# Altium PCB CNEPuckRevF Export in PCB ASCII Format.PcbDoc (part 2 of 3)
Units mil, origin at the board's own origin, x right, y up, seen from the top; angles counter-clockwise.
Board outline 3831.74 x 3902.47 mil, 4 copper layers (Top Layer, Internal Plane 1, Internal Plane 2, Bottom Layer); 165 components, 118 nets, 543 pads, 169 vias.
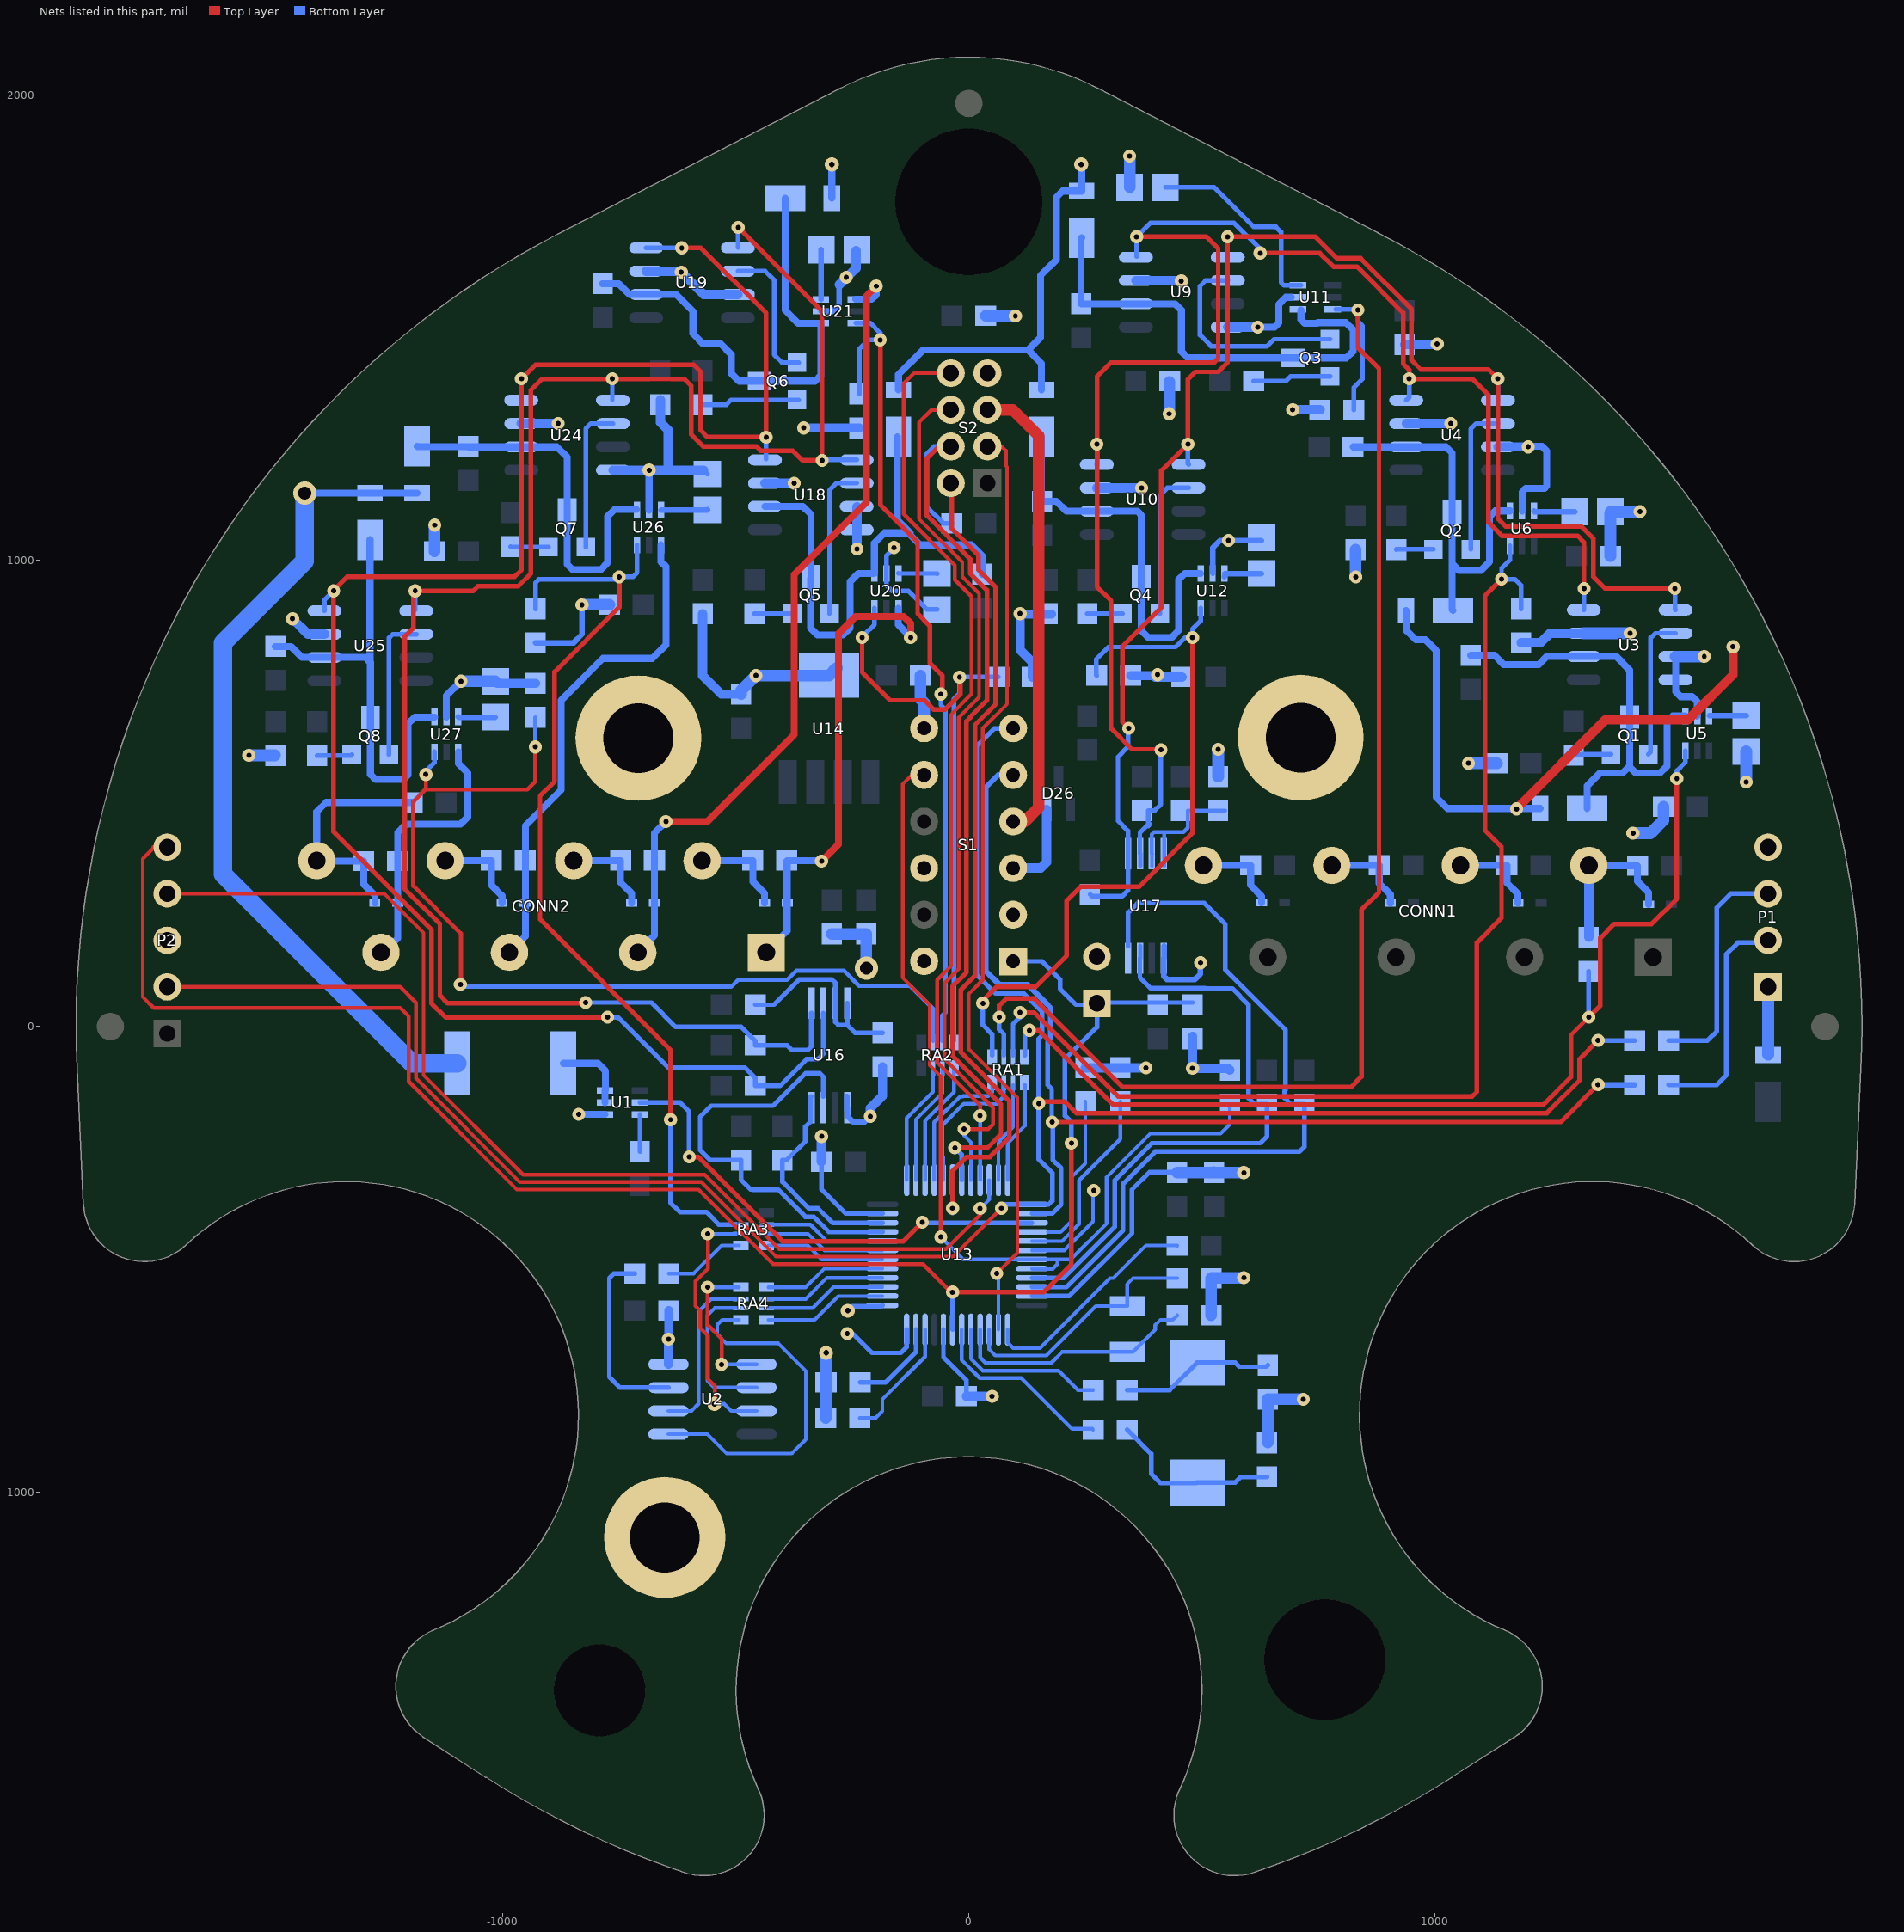
[diagram p4: the nets of this part, all layers, seen from the top]

## Via types
v1: diameter 28, hole 11, Top Layer to Bottom Layer, tented both sides, 158 vias
v2: diameter 30, hole 12, Top Layer to Bottom Layer, tented both sides, 6 vias
v3: diameter 50, hole 28, Top Layer to Bottom Layer, 4 vias
v4: diameter 28, hole 11, Top Layer to Bottom Layer, 1 vias

## Nets (pads, with @x,y where several pads share a name; then routed paths per layer and width w, separated by ;. In a path a pad name is that pad's centre, name@x,y a point inside that pad or via, vN(x,y) a via of type N, cw(c..) or ccw(c..) an arc to the next point about the centre after c; other vN are vias at no path point) (continued)
DQ5: CONN2.1 D5.2 D14.2 U20.4 | length 1073.1
  Top Layer w15: v1(-316,355) -280,391 -280,843 -243,880 -140,880 -125,865 v1(-125,835)
  Bottom Layer w10: CONN2.1@-434.64,159 CONN2.1@-434.64,160.36 ; D5.2@-390.58,356 D5.2@-390,356 ; v1(-125,835) v1@-125,836.01
  Bottom Layer w15: CONN2.1@-434.64,160.36 -390,205 -390,356 v1@-316,356 ; U20.4@-151.41,897.63 -151.41,862.42 v1@-125,836.01
DQ6: CONN2.3 D6.2 D15.2 U21.4 | length 1760.4
  Top Layer w15: v1(-650,440) -560.91,440 -375,625.91 -375,970 -220,1125 -220,1567.82 v1(-198.82,1589)
  Bottom Layer w10: CONN2.3@-710.23,159 CONN2.3@-710.23,159.77
  Bottom Layer w15: CONN2.3@-710.23,159.77 -674.58,195.42 -674.58,415.42 v1(-650,440) ; U21.4@-242.6,1560.59 -208.66,1560.59 -198.82,1570.43 v1(-198.82,1589)
DQ7: CONN2.5 D7.2 D16.2 U26.4 | length 1080.1
  Bottom Layer w10: CONN2.5@-985.82,159 CONN2.5@-985.82,159.18 ; -955,190 -951.58,193.42
  Bottom Layer w15: CONN2.5@-985.82,159.18 -955,190 ; -951.58,193.42 -951.58,431.1 -875,507.69 -875,700 -785,790 -679,790 -650,819 -650,987 -660.41,997.41 U26.4@-660.41,1033.6
DQ8: CONN2.7 D8.2 D17.2 U27.4 | length 588
  Bottom Layer w10: CONN2.7@-1261.41,159 CONN2.7@-1256,159
  Bottom Layer w15: CONN2.7@-1256,159 -1225.58,189.42 -1225.58,416.42 -1208,434 -1091,434 -1075,450 -1075,544 -1095.41,564.41 U27.4@-1095.41,589.6
DQ_CHANNEL_0: S1.3
DQ_CONN_1: RA1.1 U13.36 | length 219.8
  Bottom Layer w8: U13.36@83.27,-329.57 83.27,-250 120,-213.27 RA1.1@120,-125
DQ_CONN_2: RA1.2 U13.35 | length 217.5
  Bottom Layer w8: U13.35@63.58,-329.57 63.58,-250 67.27,-246.31 67.27,-243.37 94.9,-215.74 RA1.2@94.9,-125
DQ_CONN_3: RA1.3 U13.29 | length 302.9
  Bottom Layer w8: U13.29@-54.53,-329.57 -54.53,-280 -57,-277.53 -57,-212.06 -10.94,-166 12.96,-166 13.44,-165.51 34.98,-165.51 35.88,-166.42 60,-166.42 60,-165.22 75.22,-150 RA1.3@75.22,-125
DQ_CONN_4: RA1.4 U13.28 | length 291.2
  Bottom Layer w8: U13.28@-74.21,-329.57 -74.21,-205.38 -18.83,-150 -12.54,-150 -12.06,-149.51 41.61,-149.51 50.12,-141.01 RA1.4@50.12,-125
DQ_CONN_5: RA2.1 U13.27 | length 261.6
  Bottom Layer w8: U13.27@-93.9,-329.57 -93.9,-202.44 -32,-140.54 RA2.1@-32,-93.58
DQ_CONN_6: RA2.2 U13.26 | length 259.4
  Bottom Layer w8: U13.26@-113.58,-329.57 -113.58,-199.49 -57.1,-143.01 RA2.2@-57.1,-93.58
DQ_CONN_7: RA3.2 U13.20 | length 259.2
  Bottom Layer w8: RA3.2@-430,-425.1 -340,-425.1 -304.63,-460.47 U13.20@-185.43,-460.47
DQ_CONN_8: RA2.3 U13.25 | length 259.4
  Bottom Layer w8: U13.25@-133.27,-329.57 -133.27,-196.55 -76.78,-140.07 RA2.3@-76.78,-93.58
DQ_CONNECT_1: R80.1 RA1.8 U5.6 | length 2250.8
  Top Layer w10: v1@126.87,-8.13 v1(130,-8.13) 150.13,-8.13 310,-168 1232.54,-168 1292,-108.54 1292,-18.2 1355,44.8 1355,190 1385,220 1465,220 1519,274 v1(1519,532)
  Bottom Layer w10: RA1.8@120,-62.01 v1@120,-15 ; v1(1330,20) R80.1@1330,118.58 ; v1(1519,532) 1519,548.18 ; 1519.41,548.59 1519,548.18 ; U5.6@1537.41,591.6 1537.41,567.41 1519,549 1519,548.18
DQ_CONNECT_2: R81.1 RA1.7 U6.6 | length 2485.5
  Top Layer w10: v1(110,30) 140,30 320,-150 1080,-150 1090,-140 1090,180 1143,233 1143,385.54 1107.28,421.26 1107.28,924.28 v1(1143,960)
  Bottom Layer w10: RA1.7@94.9,-62.01 94.9,4.9 110,20 v1(110,30) ; U6.6@1161.41,1031.6 1161.41,1001.41 1143,983 v1(1143,960) 1171.61,960 1185,946.61 R81.1@1185,896.42
DQ_CONNECT_3: R82.1 RA1.6 U11.6 | length 2937.3
  Top Layer w10: v1(65.22,20) 65.22,45.22 80,60 140,60 330,-130 820,-130 842.5,-107.5 842.5,250.5 880,288 880,1412 835,1457 v1(835,1538)
  Bottom Layer w10: v1(65.22,20) 65.22,-6.38 75.22,-16.38 RA1.6@75.22,-62.01 ; U11.6@787.4,1539.41 833.59,1539.41 v1(835,1538) 835,1513.4 844.92,1503.48 844.92,1389.92 826,1371 826,1323.9 R82.1@826.42,1323.48
DQ_CONNECT_4: R83.1 RA1.5 U12.6 | length 1545.4
  Top Layer w10: v1(30,50) 30,56 59,85 143,85 210,152 210,270 240,300 365,300 480,415 v1(480,835)
  Bottom Layer w10: v1(30,50) 30,3.38 50.12,-16.74 RA1.5@50.12,-62.01 ; R83.1@274.58,753.17 273.62,754.13 273.62,788.62 299.5,814.5 443.49,814.5 463.99,835 v1(480,835) 480,853 497.41,870.41 U12.6@497.41,897.63
DQ_CONNECT_5: R84.1 RA2.8 U20.6 | length 1304.9
  Top Layer w10: v1(-229,835) -229,760 -169,700 -95.19,700 -75.19,680 -51.71,680 -18,713.71 -18,748 v1(-20,750)
  Bottom Layer w10: v1@-224,841.01 -202.59,862.42 U20.6@-202.59,897.63 ; RA2.8@-32,-30.59 -32,703.24 -20,715.24 v1(-20,750) R84.1@63.58,750
DQ_CONNECT_6: R85.1 RA2.7 U21.6 | length 1800.4
  Top Layer w10: v1(-190,1473.59) -190,1120 -110,1040 -110,886 -84,860 -84,780.17 -57,753.17 -57,723 -60,720 v1(-60,713.42)
  Bottom Layer w10: U21.6@-242.6,1509.41 -242.01,1510 -211.77,1510 -190,1488.23 v1(-190,1473.59) -215.41,1473.59 -235,1454 R85.1@-235,1357.42 ; v1@-60,720 v1(-60,713.42) -60,690 -50,680 -50,30.25 -57.1,23.15 RA2.7@-57.1,-30.59
DQ_CONNECT_7: R86.1 RA3.7 U26.6 | length 2038.9
  Top Layer w10: v1(-750,965) -750,900 -888.98,761.02 -888.98,526.02 -920,495 -920,230 -640,-50 v1(-640,-200)
  Bottom Layer w10: R86.1@-930,896.42 -930,952.34 -922.84,959.5 -755.5,959.5 v1(-750,965) -720.59,965 -711.59,974 U26.6@-711.59,1033.6 ; v1(-640,-200) -640,-378.2 -620,-398.2 -563.21,-398.2 -536.32,-425.1 RA3.7@-492.99,-425.1
DQ_CONNECT_8: R87.1 RA2.6 U27.6 | length 2097.2
  Top Layer w9: v1(-1165,541) -1165,510 ; v1(-1091,90) -1091,81 -1090,80 -1090,199.75 -1192,301.75 -1192,483 -1165,510 ; v1(-930,600) -930,526.02 -947.52,508.5 -1165,508.5 -1165,510
  Bottom Layer w9: v1(-1091,90) -1091,87 -1089.49,85.49 -510,85.49 -495.49,100 -390,100 -370,120 -268.03,120 -235.53,87.5 -126,87.5 -76.78,38.28 RA2.6@-76.78,-30.59 ; v1(-930,600) R87.1@-930,663.58
  Bottom Layer w10: v1(-1165,541) -1165,548 -1146.59,566.41 U27.6@-1146.59,589.6
DQ_DEFIB: D18.1 D19.1 D20.1 D21.1 D22.1 D23.1 D24.1 D25.1 R2.2 | length 4093.3
  Top Layer w20: v1(1175,467) 1366.46,658.46 1543.31,658.46 1639.76,754.92 v1(1639.76,815)
  Bottom Layer w15: v3(-1425,1145.02) -1424.95,1144.98 D25.1@-1285,1144.98 ; D25.1@-1285,1145.02 D24.1@-1184,1145.02 ; D23.1@-294.02,1778 v2(-294.02,1850) ; D22.1@-151,1365.98 -151,1399.2 -98.2,1452 127,1452 ; D21.1@156,1365.98 156,1423 127,1452 ; v2(241,1850) 242,1849 D20.1@242,1792.98 200.98,1792.98 188,1780 188,1646 154,1612 154,1479 127,1452 ; D19.1@938.02,893 938.02,850 939,850 959,830 980,830 1003,807 1003,492 1027,468 D18.1@1226.02,468
  Bottom Layer w40: v3(-1425,1145.02) -1425,998.23 -1600.39,822.83 -1600.39,326.77 -1194.62,-79 R2.2@-1098.17,-79
DQ_DEFIB_MASTER: U1.5 U13.39 | length 1040.6
  Top Layer w10: v1(-600,-280) -580.7,-280 -399.96,-460.74 -140.74,-460.74 v1(-100,-420) v1@-98.52,-418.52
  Bottom Layer w10: U1.5@-705.6,-163 -620,-163 -600,-183 v1(-600,-280) ; v1(-100,-420) -98.9,-421.1 U13.39@135.43,-421.1
GND: C1.2 C2.1 C3.2 C4.1 C5.1 C6.2 C7.2 C8.1 C9.1 C10.1 C11.1 C12.1 C13.2 C14.1 C15.2 C16.1 C17.1 C18.2 C19.2 C20.1 C21.1 C22.2 C23.2 C24.1 C25.1 C26.2 C27.2 C28.2 C40.1 C41.2 C42.2 CONN1.2 CONN1.4 CONN1.6 CONN1.8 CONN2.2 CONN2.4 CONN2.6 CONN2.8 D1.1 D2.1 D3.1 D4.1 D5.1 D6.1 D7.1 D8.1 D10.1 D11.1 D12.1 D13.1 D14.1 D15.1 D16.1 D17.1 MH1.1 MH2.1 MH3.1 P1.4 P2.3 P3.2 R5.2 R6.2 R11.2 R12.2 R19.1 R20.2 R22.2 R23.2 R24.2 R35.2 R36.1 R41.2 R42.2 R80.2 R81.2 R82.2 R83.2 R84.2 R85.2 R86.2 R87.2 S1.2 S1.12 S2.7 U1.1 U2.4 U3.3 U3.7 U3.8 U4.3 U4.7 U5.2 U6.2 U9.3 U9.8 U10.3 U11.2 U12.2 U13.8 U13.23 U13.47 U14.5 U16.1 U17.1 U18.3 U18.7 U18.8 U19.3 U19.7 U20.2 U21.2 U24.3 U24.8 U25.3 U26.2 U27.2 | length 9945.9
  Bottom Layer w10: CONN2.8@-1399.2,355.85 CONN2.8@-1398.35,355 ; CONN2.6@-1123.61,355.85 CONN2.6@-1123.46,356 ; CONN2.4@-848.02,355.85 CONN2.4@-847.87,356 ; CONN2.2@-572.43,355.85 CONN2.2@-572.28,356 ; R41.2@-569.23,1194 R41.2@-561,1185.77 ; C7.2@-316.42,-290 -316.42,-349.18 -264.18,-401.42 U13.23@-185.43,-401.42 ; v1@-150.5,1028 -159,1028 -177,1010 U20.2@-177,972.43 -177,947 -165,935 -130,935 -90.23,895.23 R35.2@-68,895.23 ; U13.8@-54.53,-650.43 -54.53,-709.53 -5.3,-758.76 C40.1@-5.3,-793.62 ; U13.47@135.43,-578.58 215,-578.58 350,-443.58 350,-350.16 387.4,-312.76 C2.1@525.6,-312.76 ; v1@455,1601 v1(456,1600) ; CONN1.6@779.02,345.85 CONN1.6@779.17,346 ; v1@1003.58,1463.58 v1(1005,1465) ; CONN1.4@1054.61,345.85 CONN1.4@1054.76,346 ; CONN1.2@1330.2,345.85 CONN1.2@1331.05,345
  Bottom Layer w12: C25.1@-1488.42,582 C25.1@-1488,581.58 ; v1@-1146.42,1075.58 v1(-1146,1076) ; R86.2@-930,823.58 -847.87,823.58 -830,841.46 v1(-830,905) ; U21.2@-317.4,1535 -292,1535 -278,1549 -278,1592 ; U16.1@-261.61,-149.87 -261.61,-180 U16.1@-260.83,-180.79 ; U16.1@-260.83,-174.21 U16.1@-260.83,-180.79 ; -243,1627 -242,1627 ; R36.1@-242,1665 R36.1@-240,1667 ; v1(-211.42,-192.68) -223.16,-204.42 -248.42,-204.42 -260.83,-192.01 U16.1@-260.83,-180.79 ; v1(345,1868) v1@345.23,1867.77 ; U17.1@418.31,146.65 418.31,107.75 425,101.06 485.14,101.06 497.05,112.96 v1(497.05,136.81) ; U17.1@418.92,146.65 U17.1@418.92,172.86 ; C16.1@430,1383.58 C16.1@431.42,1385 ; U12.2@523,972.43 523,1027 538.77,1042.77 R12.2@628,1042.77 ; v1@530.04,600 v1(535,595.04) ; v1(1200,1244) v1@1201,1245 ; R6.2@1376.77,1105 R6.2@1381.42,1100.35
  Bottom Layer w15: CONN2.8@-1399.2,355.85 -1399.2,460.8 -1379,481 C27.2@-1194.42,481 ; CONN2.8@-1398.35,355 D8.1@-1298.42,355 -1298.42,305.42 -1274.61,281.61 D17.1@-1274.61,265 ; CONN2.6@-1123.46,356 D7.1@-1024.42,356 -1024.42,303.42 -1001.61,280.61 D16.1@-1001.61,265 ; U27.2@-1121,664.4 -1121,710 v1(-1090,741) ; CONN2.4@-847.87,356 D6.1@-747.42,356 -747.42,309.42 -723.61,285.61 D15.1@-723.61,265 ; v1(-837,-188.59) U1.1@-780.4,-188.59 ; U26.2@-686,1108.4 v1(-686,1194) ; CONN2.2@-572.28,356 D5.1@-463.42,356 -463.42,310.42 -438.61,285.61 D14.1@-438.61,265 ; U18.7@-240.57,1116 U18.7@-240,1115.43 ; CONN1.8@503.58,346 D4.1@604.58,346 604.58,303.42 628.39,279.61 D13.1@628.39,266 ; v1(620,1501) 656,1501 665,1510 665,1550 680,1565 U11.2@692.1,1565 ; CONN1.6@779.17,346 D3.1@880.58,346 880.58,307.42 904.39,283.61 D12.1@904.39,265 ; CONN1.4@1054.76,346 D2.1@1154.58,346 1154.58,308.42 1178.39,284.61 D11.1@1178.39,265 ; U6.2@1187,1106.4 1187,1147 1195,1155 1235,1155 1240,1160 1240,1235 1230,1245 v1@1201,1245 ; CONN1.2@1331.05,345 D1.1@1434.58,345 1434.58,311.42 1458.39,287.61 D10.1@1458.39,262 ; U3.7@1516.43,794 U3.8@1516.43,744 1516.43,718.57 1527,708 1552,708 1563,697 U5.2@1563,666.4
  Bottom Layer w20: v1(-1451,875) -1418,842 U25.3@-1382.43,842 ; R42.2@-1016.23,741 R42.2@-1016,740.77 -1011.65,736.42 R87.2@-930,736.42 ; U24.3@-960.43,1294 v1(-881,1294) ; U24.8@-763.57,1194 v1(-686,1194) -645,1194 ; U19.3@-692.43,1621 -619,1621 v1(-617,1619) -569,1571 U19.7@-495.57,1571 ; C21.1@-661.42,1345 -661.42,1296.42 -645,1280 -645,1194 ; U2.4@-644.49,-725 v1(-644.49,-670.91) -643.58,-670 C28.2@-643.58,-610 ; C20.1@-571,885.58 -571,753.17 -531.24,713.42 C9.1@-489,713.42 ; R41.2@-569.23,1194 -645,1194 ; U18.3@-437.43,1166 v1(-375,1166) ; v1@-356,1283 v1(-354.42,1284.58) R85.2@-235,1284.58 ; C7.2@-316.42,-290 -316.42,-236.2 v1(-316,-235.79) ; -278,1592 -243,1627 ; -242,1627 R36.1@-242,1665 ; v1(-240,1025) U18.7@-240,1115.43 ; v1(-211.42,-192.68) -211.42,-175.04 -185,-148.62 C41.2@-185,-86.42 ; C40.1@-5.3,-793.62 v1(50,-793.62) ; v1(110,886) 110,808 136.42,781.58 R84.2@136.42,750 ; v1@111,885 C17.1@177.42,885 ; R22.2@250,-88.58 R20.2@325,-88.58 v1(380,-88.58) ; U10.3@274.57,1156 v1(371,1156) ; R83.2@347.42,753.17 v1@396.75,753.17 ; U9.3@358.57,1601 v1@455,1601 ; v1@399.93,750 C18.2@457.2,750 ; C8.1@480,-21.42 v1(480,-90) 556.42,-90 R19.1@560,-93.58 ; U9.8@555.43,1501 v1(620,1501) ; C5.1@640,-893.58 C5.1@641.23,-892.35 ; v1(695,1323.48) R82.2@753.58,1323.48 ; C19.2@935,1463.58 v1@1003.58,1463.58 ; U4.3@938.57,1294 v1(1034,1294) ; U4.7@1135.43,1244 v1(1200,1244) ; R81.2@1185,823.58 1226.58,823.58 1247,844 U3.3@1319.57,844 ; R80.2@1330,191.42 1330,345.65 CONN1.2@1330.2,345.85
  Bottom Layer w25: v1(-1545,582) C25.1@-1488.42,582 ; C24.1@-1146.42,1020 v1@-1146.42,1075.58 ; v1(-1090,741) R42.2@-1016.23,741 ; v1(-830,905) C26.2@-771.42,905 ; C9.1@-489,713.42 -489,721 v1(-456.83,753.17) U14.5@-300,753.17 U14.5@-283.17,770 ; R23.2@-306.89,-840 R24.2@-306.89,-764.05 ; v2@-306.89,-700 v2(-306.42,-700.47) R24.2@-306.42,-763.58 ; C11.1@-294.02,198.58 C10.1@-220,198.58 v3(-220,125) ; C22.2@-103.58,753.17 -103.58,702.58 -96,695 S1.12@-96,640 ; C23.2@36.42,1525 v1(100,1525) ; R11.2@345.23,1801 v1@345.23,1867.77 ; v1(430,1315) C16.1@430,1383.58 ; C6.2@447.09,-313.58 524.78,-313.58 C2.1@525.6,-312.76 ; C3.2@520.04,-620 C1.2@520.04,-540 520.83,-539.21 v1(590,-539.21) ; C2.1@526.42,-313.58 v1(590,-313.58) ; C42.2@535,536.42 v1(535,595.04) ; C5.1@641.23,-892.35 C4.1@641.23,-800 v1(717.76,-800) ; v1(830,965) C14.1@830,1023.58 ; v1(1072,565) C12.1@1133.58,565 ; U3.3@1319.57,844 v1(1419,844) ; C15.2@1376.42,1010 R6.2@1376.42,1100.35 ; R6.2@1376.77,1105 v1(1440,1105) ; v1(1425,415) 1463,415 1490.58,442.58 C13.2@1490.58,472 ; U3.7@1516.43,794 v1(1578,794) ; v1(1668,525) R5.2@1668,590.23
  other v1: 405,755 -160.5,1028 557,1043 -263,1608
I2C_SCL1: R55.2 U3.4 U4.4 U9.4 U10.4 U17.6 | length 3649.9
  Top Layer w10: v1(360,1695) 510,1695 535,1670 535,1433.28 526.72,1425 305,1425 275,1395 v1(275,1250) 275,944 305,914 305,639.86 350,594.86 v1@412.2,594.86 ; v1(625,1660) 753.06,1660 782.3,1630.76 833.01,1630.76 932,1531.77 932,1422.54 945,1409.54 v1(945,1390) 1080,1390 1115,1355 1115,1081.72 1143.72,1053 1306,1053 1320,1039 v1(1320,940)
  Bottom Layer w10: U10.4@274.57,1206 275,1206.42 v1(275,1250) ; U9.4@360,1652.42 v1(360,1695) 390,1725 568.59,1725 625,1668.59 v1(625,1660) ; U17.6@367.13,371.06 367.13,415.81 387.4,436.08 387.4,432.63 385,430.23 ; U17.6@367.92,344.86 U17.6@367.92,371.06 ; 385,437.87 385,463.58 398.6,463.58 412.2,477.18 v1(412.2,593.58) ; U4.4@938.57,1344 945,1350.43 v1(945,1390) ; U3.4@1320,894.42 v1(1320,940)
I2C_SCL2: R52.2 U16.6 U18.4 U19.4 U24.4 U25.4 | length 4244.3
  Top Layer w10: v1(-775,20) -1123,20 -1153,50 -1153,208 -1363,418 -1363,936 -1334,965 -975,965 -960,980 v1(-960,1390) -930,1420 -590,1420 -575.91,1405.91 -575.91,1280 -560.91,1265 v1(-435,1265) -435,1531 -575,1671 v1(-616,1671)
  Bottom Layer w10: U25.4@-1383,892.57 -1383,915 v1(-1363,935) ; U24.4@-960,1344.42 v1(-960,1390) ; v1(-775,20) -753.07,20 -644.49,-88.58 -502.02,-88.58 -501.42,-87.98 -480.6,-87.98 -458.58,-110 R52.2@-458.58,-127.1 -405.37,-127.1 -348.27,-70 -323.96,-70 -312.8,-58.84 -312.8,28.08 U16.6@-312.01,28.87 ; U19.4@-692.43,1671 v1(-616,1671) ; U18.4@-435,1218.42 v1(-435,1265)
I2C_SDA1: R56.2 U3.5 U4.5 U9.5 U10.5 U17.5 | length 3377.4
  Top Layer w10: v1(343.04,640) 330,653.04 330,816 413,899 413,1193 v1(470,1250) 470,1389 486,1405 535,1405 555,1425 v1(555,1695) 743.52,1695 789.76,1648.76 840.47,1648.76 950,1539.23 950,1430 970,1410 1115,1410 v1(1135,1390) 1135,1090 1152,1073 1314.28,1073 1340,1047.28 1340,965 1365,940 v1(1515,940)
  Bottom Layer w10: R56.2@260,283.58 263.98,279.61 329.03,279.61 341.54,292.11 U17.5@341.54,371.06 341.54,420 320,441.54 320,578.46 341.54,600 v1@341.54,638.49 ; v1@343.04,638.49 v1(343.04,640) ; v1(470,1250) 470,1207.42 U10.5@471.43,1206 ; U9.5@555,1651.42 v1(555,1695) ; U4.5@1135,1344.42 v1(1135,1390) ; v1(1515,940) 1515,895.42 U3.5@1516.43,894
I2C_SDA2: R53.2 U16.5 U18.5 U19.5 U24.5 U25.5 | length 4038.5
  Top Layer w10: v1(-822,51.42) -823.42,50 -1118,50 -1135,67 -1135,220 -1210.23,295.23 -1210.23,836.73 -1192,854.96 -1192,931 v1(-1188,935) -1063.07,935 -1053.07,945 -966.72,945 -940,971.72 -940,1365 -915,1390 v1(-765,1390) -610.91,1390 -595.91,1375 -595.91,1270.91 -570,1245 -456.01,1245 -447.01,1236 -378,1236 -357,1215 v1(-315,1215) -315,1535 v1(-495,1715)
  Bottom Layer w10: U25.5@-1188,894.42 v1(-1188,935) ; v1(-822,51.42) -681.42,51.42 -629.12,-0.88 -488.58,-0.88 -458.58,-30.88 R53.2@-458.58,-40 -390,-40 -380,-50 -345.2,-50 -338.39,-43.18 -338.39,28.08 U16.5@-337.6,28.87 ; U24.5@-765,1345.42 v1(-765,1390) ; U19.5@-495,1671.57 v1(-495,1715) ; v1(-315,1215) -314,1216 U18.5@-240.57,1216
NBOOT0_CNE: R19.2 S1.10 U13.43 U13.44 | length 1967.3
  Top Layer w8: S1.10@-120,540 -122,540 -142,520 -142,105 -84,47 -84,-83.25 -60.84,-106.41 -60.84,-450.9 v1(-60,-451.74)
  Bottom Layer w8: v1(-60,-451.74) -11.9,-499.84 U13.43@135.43,-499.84 190,-499.84 ; U13.44@135.43,-519.53 135.9,-520 180,-520 190,-510 190,-499.84 ; R19.2@560,-166.42 560,-210 540,-230 539.71,-229.71 389.2,-229.71 295.85,-323.06 295.85,-422.77 218.79,-499.84 190,-499.84
NCBP_CONTROL: S2.3 U13.2 | length 2027.9
  Top Layer w8: S2.3@40,1244.74 69.74,1244.74 70,1245 79,1236 80,1236 80,1202.97 82,1200.97 82,691.96 30,639.96 30,100 0,70 0,-48.46 104,-152.46 104,-486 v1(60,-530)
  Bottom Layer w8: v1(60,-530) 63.58,-533.58 U13.2@63.58,-650.43
NetC1_1: C1.1 U13.3 Y1.1 | length 548.6
  Bottom Layer w8: U13.3@43.9,-650.43 43.9,-693.1 56.79,-706 166.43,-706 272.43,-600 Y1.1@340,-600 340,-553.72 339.32,-553.04 352.35,-540 C1.1@447.2,-540
NetC3_1: C3.1 U13.4 Y1.2 | length 535.5
  Bottom Layer w8: U13.4@24.21,-650.43 24.21,-710.12 36.1,-722 176.43,-722 200,-698.43 Y1.2@340,-698.43 352.01,-698.43 400,-650.43 400,-640.77 411.36,-629.41 437.79,-629.41 C3.1@447.2,-620
NetC4_2: C4.2 R27.1 Y2.1 | length 330.7
  Bottom Layer w10: R27.1@339.43,-780 431.19,-780 Y2.1@489.64,-721.56 571.56,-721.56 580,-730 638.39,-730 C4.2@641.23,-727.17
NetC5_2: C5.2 R29.2 Y2.2 | length 379.1
  Bottom Layer w10: R29.2@339.43,-865 391.36,-916.93 391.36,-960 411.36,-980 488.08,-980 Y2.2@489.64,-978.45 571.59,-978.45 583.62,-966.42 C5.2@640,-966.42
NetC41_1: C41.1 R51.2 U16.7 U16.8 | length 439.5
  Bottom Layer w10: R51.2@-458.58,46.87 -418.38,46.87 -364.06,101.19 -294.16,101.19 -286.42,93.45 U16.7@-286.42,50.2 -286.42,9.78 -280,3.36 -260.83,3.36 ; U16.8@-260.83,50.2 -260.83,3.36 ; C41.1@-185,-13.58 -243.88,-13.58 -260.83,3.36
NetC42_1: C42.1 R54.2 U17.7 U17.8 | length 340.6
  Bottom Layer w8: U17.7@392.72,371.06 392.72,412.72 397.2,417.2 416.1,417.2 ; U17.7@392.92,344.86 392.92,368.96 U17.7@393.87,369.91 ; U17.8@418.92,344.86 418.92,414.39 416.1,417.2 ; C42.1@550,463.58 470,463.58 470,426.6 460.61,417.2 416.1,417.2
NetD9_1: D9.1 P1.1 | length 188
  Bottom Layer w25: D9.1@1715,-61.02 P1.1@1715,85 1715,43
NetD18_2: D18.2 Q1.D R8.2 U3.2 U5.1 | length 966
  Bottom Layer w15: R8.2@1077,796.42 1128.08,796.42 1147.71,776.79 1222.79,776.79 1240,794 U3.2@1319.57,794 1389,794 1418,765 Q1.D@1418,664 Q1.D@1420,662 ; D18.2@1326.42,468 1326.42,516.42 1354,544 1402.75,544 1418,559.25 ; Q1.D@1418,662 1418,559.25 ; U5.1@1537.41,666.4 1510.4,666.4 1498,654 1498,559 1483,544 1431,544 1418,557 1418,559.25
NetD19_2: D19.2 Q2.D R7.2 U4.2 U6.1 | length 796.8
  Bottom Layer w15: R7.2@824.42,1244 U4.2@938.57,1244 1024,1244 1037,1231 Q2.D@1037,1104 1037,994 ; D19.2@1038.42,893 1037,894.42 1037,994 ; U6.1@1161.41,1106.4 1129.4,1106.4 1117,1094 1117,997 1099,979 1052,979 1037,994
NetD20_2: D20.2 Q3.D R21.2 U9.2 U11.1 | length 1018.9
  Bottom Layer w15: D20.2@242,1692.58 241,1691.58 R21.2@241,1551.42 241.42,1551 U9.2@358.57,1551 443,1551 456,1538 456,1449 470,1435 Q3.D@695,1435 810,1435 824.42,1449.42 824.42,1494.99 808.91,1510.5 748.58,1510.5 747.49,1509.41 720.59,1509.41 712.6,1517.4 U11.1@712.6,1537.4
NetD21_2: D21.2 Q4.D R31.2 U10.2 U12.1 | length 866.2
  Bottom Layer w15: D21.2@156,1265.58 156,1128.42 157,1127.42 187.58,1127.42 209,1106 U10.2@274.57,1106 362,1106 370,1098 Q4.D@370,966 370,850 385,835 435,835 450,850 450,959 463.4,972.4 U12.1@497.41,972.4
NetD22_2: D22.2 Q5.D R37.2 U18.2 U20.1 | length 1190.6
  Bottom Layer w15: U18.2@-437.43,1116 -356,1116 -339,1099 Q5.D@-339,965.61 ; Q5.D@-340,961.61 -340,855 -325,840 -270,840 -255,855 -255,955 -237.57,972.43 U20.1@-202.59,972.43 -202.59,1037.93 -181.02,1059.5 -130,1059.5 ; D22.2@-153,1265.58 -153,1087 -125.5,1059.5 -130,1059.5 ; R37.2@29,970.42 29,1010 5.4,1033.6 -104.1,1033.6 -130,1059.5
NetD23_2: D23.2 Q6.D R32.2 U19.2 U21.1 | length 1053.7
  Bottom Layer w15: R32.2@-786,1594.42 -751.42,1594.42 -728,1571 U19.2@-692.43,1571 -628,1571 -592,1535 -592,1487 -570,1465 -532,1465 -510,1443 -510,1402 -493,1385 Q6.D@-449,1385 -330,1385 -317.4,1397.6 U21.1@-317.4,1509.41 -366.41,1509.41 -394.42,1537.42 D23.2@-394.42,1778
NetD24_2: D24.2 Q7.D R38.2 U24.2 U26.1 | length 827.9
  Bottom Layer w15: D24.2@-1184,1245.42 -1183,1244.42 R38.2@-1074,1244.42 -1073.58,1244 U24.2@-960.43,1244 -884,1244 -862,1222 -862,992 -850,980 -790,980 -775,995 -775,1095 -760,1110 U26.1@-713.19,1110
NetD25_2: D25.2 Q8.D R43.2 U25.2 U27.1 | length 982.9
  Bottom Layer w15: R43.2@-1488,815.42 -1454.42,815.42 -1431,792 U25.2@-1382.43,792 -1295,792 -1285,782 ; D25.2@-1285,1044.58 -1285,782 ; U27.1@-1146.59,664.4 -1188.6,664.4 -1203,650 -1203,540 -1213,530 -1273,530 -1284,541 Q8.D@-1284,663 -1284,781 -1285,782
NetP1_2: P1.2 R28.1 | length 494.3
  Bottom Layer w10: R28.1@1501.42,-125 1605,-125 1625,-105 1625,155 1650,180 1710,180 P1.2@1715,185
NetP1_3: P1.3 R26.1 | length 499.3
  Bottom Layer w10: R26.1@1501.42,-30 1585,-30 1605,-10 1605,255 1635,285 P1.3@1715,285
NetQ1_G: Q1.G U3.6 | length 309.6
  Bottom Layer w10: Q1.G@1458,584 1463,589 1463,834 1473,844 U3.6@1516.43,844
NetQ1_S: Q1.S R3.2 | length 78.6
  Bottom Layer w10: R3.2@1299.42,584 Q1.S@1378,584
NetQ2_G: Q2.G U4.6 | length 321.4
  Bottom Layer w10: Q2.G@1077,1024 1077,1282 1089,1294 U4.6@1135.43,1294
NetQ2_S: Q2.S R4.2 | length 80.2
  Bottom Layer w10: R4.2@917,1023.58 917.42,1024 Q2.S@997,1024
NetQ3_G: Q3.G U9.6 | length 464.6
  Bottom Layer w10: U9.6@555.43,1601 508,1601 496,1589 496,1484 520,1460 640,1460 655,1475 Q3.G@775,1475
NetQ3_S: Q3.S R9.2 | length 167.7
  Bottom Layer w10: R9.2@611.42,1385 680,1385 690,1395 Q3.S@775,1395
NetQ4_G: Q4.G U10.6 | length 322.1
  Bottom Layer w10: Q4.G@410,886 410,1140 426,1156 U10.6@471.43,1156
NetQ4_S: Q4.S R10.2 | length 76.2
  Bottom Layer w10: R10.2@254,885.58 254.42,886 Q4.S@330,886
NetQ5_G: Q5.G U18.6 | length 330
  Bottom Layer w10: Q5.G@-299,885.61 -299,1151 -284,1166 U18.6@-240.57,1166
NetQ5_S: Q5.S R33.2 | length 81.1
  Bottom Layer w10: R33.2@-460,885.89 -459.72,885.61 Q5.S@-379,885.61
NetQ6_G: Q6.G U19.6 | length 305.5
  Bottom Layer w10: U19.6@-495.57,1621 -437,1621 -418,1602 -418,1442 -401,1425 Q6.G@-365,1425
NetQ6_S: Q6.S R34.2 | length 211.3
  Bottom Layer w10: R34.2@-572,1334.58 -520.42,1334.58 -510,1345 Q6.S@-365,1345
NetQ7_G: Q7.G U24.6 | length 317
  Bottom Layer w10: Q7.G@-822,1029 -822,1283 -811,1294 U24.6@-763.57,1294
NetQ7_S: Q7.S R39.2 | length 81.2
  Bottom Layer w10: R39.2@-983,1029.58 -982.42,1029 Q7.S@-902,1029
NetQ8_G: Q8.G U25.6 | length 312.7
  Bottom Layer w10: Q8.G@-1244,583 -1244,834 -1236,842 U25.6@-1185.57,842
NetQ8_S: Q8.S R40.2 | length 74.6
  Bottom Layer w10: R40.2@-1398,581.58 -1325.42,581.58 Q8.S@-1324,583
NetR1_2: R1.2 U1.6 | length 80
  Bottom Layer w10: R1.2@-705.6,-268.58 U1.6@-705.6,-188.59
NetR2_1: R2.1 U1.2 U1.3 | length 164.9
  Bottom Layer w15: R2.1@-869.83,-79 -795.83,-79 -779.83,-95 -779.83,-136.83 U1.3@-780.4,-137.41 U1.2@-780.4,-163
NetR5_1: R5.1 U5.3 | length 78.8
  Bottom Layer w12: U5.3@1589.19,667 R5.1@1668,667
NetR6_1: R6.1 U6.3 | length 88
  Bottom Layer w12: U6.3@1212.59,1106.4 1213.99,1105 R6.1@1300,1105
NetR11_1: R11.1 U11.3 | length 441
  Bottom Layer w10: R11.1@422,1801 526.54,1801 611.27,1716.27 658.73,1716.27 670,1705 670,1597 676.41,1590.59 U11.3@712.6,1590.59
NetR12_1: R12.1 U12.3 | length 79.7
  Bottom Layer w12: U12.3@548.59,965.4 U12.3@549.19,966 ; U12.3@549.19,972 R12.1@628,972
NetR13_2: R13.2 U13.46 U17.4 | length 1641.7
  Bottom Layer w10: U13.46@135.43,-558.9 209.23,-558.9 330.85,-437.27 330.85,-337.55 400,-268.41 709.35,-268.41 720,-257.76 R13.2@720,-166.42 690.4,-166.42 677.61,-153.62 677.61,-137.94 679.12,-136.42 679.12,-6.8 550,122.33 550.04,122.37 550.04,220 505.04,265 362.2,265 341.73,244.53 341.73,173.05 U17.4@341.92,172.86
NetR14_2: R14.2 U13.45 U17.3 | length 1331.3
  Bottom Layer w10: U13.45@135.43,-539.21 203.46,-539.21 312.85,-429.82 312.85,-330.1 392.75,-250.21 625,-250.21 640,-235.21 R14.2@640,-166.42 619.96,-166.42 616.38,-170 600,-153.62 600,46.87 565,81.87 507.22,81.87 507.04,82.06 390,82.06 367.13,104.93 U17.3@367.13,146.65 ; U17.3@367.92,146.65 U17.3@367.92,172.86
NetR15_2: R15.2 U13.22 U16.4 | length 465.5
  Bottom Layer w10: U16.4@-338.39,-149.87 -339,-150.48 -339,-202.84 -351.07,-214.9 -351.07,-246.81 -390.88,-286.62 R15.2@-400,-286.62 -400,-333.71 -343.61,-390.1 -323.5,-390.1 -292.5,-421.1 U13.22@-185.43,-421.1
NetR16_2: R16.2 U13.21 U16.3 | length 908.8
  Bottom Layer w10: U16.3@-312.8,-149.87 -312.8,-107.2 -320,-100 -350,-100 -420,-170 -552.75,-170 -576.7,-193.95 -576.7,-265.11 -555.19,-286.62 R16.2@-488.42,-286.62 -488.42,-329.57 -468.8,-349.18 -464.79,-349.18 -463.81,-350.16 -409,-350.16 -351.07,-408.1 -332.96,-408.1 -300.27,-440.79 U13.21@-185.43,-440.79
NetR27_2: R27.2 U13.5 | length 352.4
  Bottom Layer w8: U13.5@4.53,-650.43 4.53,-713.06 30,-738.53 192.11,-738.53 233.58,-780 R27.2@266.59,-780
NetR29_1: R29.1 U13.6 | length 409
  Bottom Layer w8: U13.6@-15.16,-650.43 -15.16,-716 23.37,-754.53 112.53,-754.53 221.62,-863.62 265.22,-863.62 R29.1@266.59,-865
NetR30_1: R30.1 U13.1 | length 487.9
  Bottom Layer w8: U13.1@83.27,-650.43 83.27,-678.27 95,-690 153.08,-690 303.08,-540 309.88,-540 380,-469.88 447.09,-469.88 R30.1@447.2,-470
NetR35_1: R35.1 U20.3 | length 83.4
  Bottom Layer w10: U20.3@-151.41,972.43 R35.1@-68,972
NetR36_2: R36.2 U21.3 | length 106.7
  Bottom Layer w12: U21.3@-317.4,1560.59 -317.4,1666.37 R36.2@-316.77,1667
NetR41_1: R41.1 U26.3 | length 99.7
  Bottom Layer w12: U26.3@-660.41,1108.4 -561.6,1108.4 R41.1@-561,1109
NetR42_1: R42.1 U27.3 | length 79.6
  Bottom Layer w12: U27.3@-1095.41,664.4 -1095.01,664 R42.1@-1016,664
NetR44_2: R44.2 U2.3 | length 407.7
  Bottom Layer w10: R44.2@-716.42,-530 -761.42,-530 -771.42,-540 -771.42,-752.17 -748.58,-775 U2.3@-644.49,-775
NetRA3_3: RA3.3 U13.19 | length 259.2
  Bottom Layer w8: RA3.3@-430,-444.78 -345.2,-444.78 -309.83,-480.16 U13.19@-185.43,-480.16
NetRA3_4: RA3.4 U13.18 | length 257
  Bottom Layer w8: RA3.4@-430,-469.88 -345.56,-469.88 -315.6,-499.84 U13.18@-185.43,-499.84
NetRA4_1: RA4.1 U13.17 | length 261.1
  Bottom Layer w8: RA4.1@-430,-559.53 -350.19,-559.53 -310.19,-519.53 U13.17@-185.43,-519.53
NetRA4_2: RA4.2 U13.16 | length 263.4
  Bottom Layer w8: RA4.2@-430,-584.63 -349.83,-584.63 -304.41,-539.21 U13.16@-185.43,-539.21
NetRA4_3: RA4.3 U13.15 | length 263.4
  Bottom Layer w8: RA4.3@-430,-604.31 -335.41,-604.31 -290,-558.9 U13.15@-185.43,-558.9
NetRA4_4: RA4.4 U13.14 | length 265.6
  Bottom Layer w8: RA4.4@-430,-629.41 -330.83,-629.41 -280,-578.58 U13.14@-185.43,-578.58
NHOLD: RA3.6 U2.7 | length 558.3
  Top Layer w8: v1(-560.53,-444.78) -560,-445.31 -560,-520 -586.53,-546.53 -586.53,-600 -576.53,-610 -576.53,-646.55 -560,-663.08 -560,-756.42 -545,-771.42 -545,-809 v2(-546,-810)
  Bottom Layer w8: v1(-560.53,-444.78) RA3.6@-492.99,-444.78 ; v2(-546,-810) -525,-810 -510,-825 U2.7@-455.51,-825
NRESET_CNE: C8.2 P2.5 P3.1 R25.2 S1.1 U13.7 | length 3806
  Top Layer w8: -1750,385 -1750,382.48 -1772.48,360 -1772.48,63.45 -1749.03,40 -1220,40 -1220,39.77 -1202,21.77 -1202,-117.75 -969.75,-350 -580,-350 -420,-510 -98.52,-510 -38.52,-570 v1(-34.84,-570)
  Top Layer w10: v1(-34.84,-570) 160,-570 220,-510 v1(220,-250)
  Bottom Layer w10: U13.7@-34.84,-650.43 v1(-34.84,-570) ; S1.1@95,140 157.06,140 195.87,101.19 195.87,81 230,46.87 270.45,46.87 P3.1@274,50.42 ; v1(220,-250) 220,-205.41 206.1,-191.51 206.1,-69.8 273.8,-2.1 275,-2.1 275,49.42 P3.1@274,50.42 ; C8.2@480,51.42 403.58,51.42 275,51.42 P3.1@274,50.42
NWRITEPROTECT: R44.1 RA3.5 | length 175.5
  Bottom Layer w8: R44.1@-643.58,-530 -590.46,-530 -530.34,-469.88 RA3.5@-492.99,-469.88
POWER_IN: S1.7 S2.5 | length 998.4
  Top Layer w25: S2.5@40,1323.48 94.52,1323.48 150,1268 150,470 120,440 S1.7@95,440
SPARE_2: U13.42 | length 223.9
  Bottom Layer w8: U13.42@135.43,-480.16 205.06,-480.16 266.59,-418.62 266.59,-353.41 v4(268,-352)
SPARE_3: U13.12 | length 187.3
  Bottom Layer w10: v1(-260.81,-659.19) -260,-660 -248.27,-660 -207.8,-700.47 -145.88,-700.47 -133.27,-687.86 U13.12@-133.27,-650.43
SPARE_4: U13.13 | length 79.4
  Bottom Layer w10: v2(-260,-610) -250,-600 -187.17,-600 U13.13@-185.43,-598.27
SPI1_MISO: RA4.7 U2.2 | length 367.1
  Bottom Layer w8: U2.2@-644.49,-825 -595,-825 -580,-810 -580,-611.88 -552.75,-584.63 RA4.7@-492.99,-584.63
SPI1_MOSI: RA4.8 U2.5 | length 321.1
  Top Layer w8: v1(-560.53,-559.53) -560.53,-639.93 -530.46,-670 v1(-530.46,-725)
  Bottom Layer w8: v1@-561,-560 v1(-560.53,-559.53) RA4.8@-492.99,-559.53 ; v1(-530.46,-725) U2.5@-455.51,-725
SPI1_NSS: RA4.5 U2.1 | length 766
  Bottom Layer w8: U2.1@-644.49,-875 -561,-875 -519.58,-916.42 -380,-916.42 -349.83,-886.25 -349.83,-739.17 -409,-680 -520.46,-680 -540,-660.46 -540,-640 -529.41,-629.41 RA4.5@-492.99,-629.41
SPI1_SCK: RA4.6 U2.6 | length 326.2
  Bottom Layer w8: RA4.6@-492.99,-604.31 -545.31,-604.31 -561,-620 -561,-760 -546,-775 U2.6@-455.51,-775
SWDAT: P2.4 U13.34 | length 2352.4
  Top Layer w8: P2.4@-1720,285 -1254.04,285 -1170,200.96 -1170,-104.5 -956.5,-318 -566.75,-318 -407.01,-477.74 -49.23,-477.74 24.21,-404.3 v1(24.21,-390.67)
  Bottom Layer w8: v1(24.21,-390.67) 43.9,-370.99 U13.34@43.9,-329.57
USART1_CTS: S2.6 U13.32 | length 1894.8
  Top Layer w8: S2.6@-38.74,1323.48 -80,1323.48 -107,1296.48 -107,1089.63 -14,996.63 -14,965.5 22,929.5 22,707.04 -22,663.04 -22,123.37 -52,93.37 -52,-70 52,-174 52,-210 42,-220 v1(-10,-220)
  Bottom Layer w8: v1(-10,-220) -10,-233.85 4.53,-248.38 U13.32@4.53,-329.57
USART1_RTS: S2.8 U13.33 | length 1949.4
  Top Layer w8: S2.8@-38.74,1402.22 -117.78,1402.22 -140,1380 -140,1100 -30,990 -30,958.88 6,922.88 6,713.67 -38,669.67 -38,130 -68,100 -68,-76.62 24.21,-168.84 v1(24.21,-191.51)
  Bottom Layer w8: U13.33@24.21,-329.57 v1(24.21,-191.51)
USART1_RXD: R18.2 S2.4 U13.31 | length 2040.3
  Top Layer w10: S2.4@-65,1244.74 -90,1219.74 -90,1096.67 3,1003.67 3,972.54 39,936.54 39,700 3,664 3,663 -5,655 -5,116.33 -35,86.33 -35,-62.96 69,-166.96 69,-231 40,-260 v1(-30,-260)
  Bottom Layer w10: S2.4@-38.74,1244.74 -39,1245 -74.21,1245 -90.23,1228.99 -90.23,1115.43 -54.8,1080 R18.2@-36.42,1080 ; v1(-30,-260) -15.16,-274.84 U13.31@-15.16,-329.57
USART1_TXD: S2.2 U13.30 | length 1819.8
  Top Layer w10: S2.2@-38.74,1166 -36.44,1163.7 -36.44,1068.56 21,1011.12 21,980 57,944 57,691 13,647 13,108.88 -17,78.88 -17,-55.5 87,-159.5 87,-238.46 45.46,-280 -4.84,-280 -34.84,-310 v1(-34.84,-390)
  Bottom Layer w10: v1@-34.84,-400 v1(-34.84,-390) U13.30@-34.84,-329.57
USART2_RXD: R28.2 S1.9 U13.38 | length 2394.2
  Top Layer w10: v1(178.58,-205) 1270,-205 v1(1350,-125)
  Bottom Layer w10: U13.38@135.43,-401.42 178.58,-401.42 197.94,-382.06 197.94,-303.77 180,-285.83 v1@180,-206.42 ; 169,46.87 175,40.87 175,-26.77 169,-32.77 169,-125 178,-134 v1@178,-204.42
  Bottom Layer w12: 63.22,540 36.42,513.2 36.42,118.78 65.2,90 125.87,90 169,46.87 ; v1@178,-204.42 v1(178.58,-205) v1@180,-206.42 ; v1(1350,-125) R28.2@1428.58,-125
USART2_TXD_SWCLK: P2.2 R26.2 S1.11 U13.37 | length 4837.7
  Top Layer w8: P2.2@-1720,85 -1220,85 -1186,51 -1186,-111.12 -963.12,-334 -573.37,-334 -413.63,-493.74 -33.74,-493.74 v1(70,-390)
  Top Layer w10: v1@154,-161 205.59,-161 230.59,-186 1240,-186 1310,-116 1310,-70 v1(1350,-30)
  Bottom Layer w10: v1(70,-390) 78.27,-381.73 U13.37@135.43,-381.73 171.4,-381.73 178.94,-374.19 178.94,-313.94 150,-285 v1(150,-165) 150,-26.32 157,-19.32 157,32 118,71 57.33,71 17.42,110.91 17.42,602.42 55,640 S1.11@95,640 ; v1(1350,-30) R26.2@1428.58,-30
VBAT_SENSE: S1.6
VBAT_SW_SENSE: D26.2 S1.5 | length 190.2
  Bottom Layer w20: S1.5@95,340 154.42,340 167.03,352.61 D26.2@167.03,465.55
VER1: R23.1 U13.10 | length 267.6
  Bottom Layer w8: R23.1@-234.05,-840 -200,-840 -185.43,-825.43 -185.43,-800 -93.9,-708.46 U13.10@-93.9,-650.43
VER2: R24.1 U13.11 | length 195.2
  Bottom Layer w10: R24.1@-233.58,-763.58 -178.37,-763.58 -113.58,-698.8 U13.11@-113.58,-650.43
VER3: R20.1 U13.41 | length 415.4
  Bottom Layer w8: U13.41@135.43,-460.47 200,-460.47 236.61,-423.86 236.61,-330 325,-241.61 R20.1@325,-161.42
VER4: R22.1 U13.40 | length 328.4
  Bottom Layer w8: 170,-440.79 197.06,-440.79 220.61,-417.24 220.61,-323.37 250,-293.98 R22.1@250,-161.42
pads on no net: FD1.0 FD2.0 FD3.0 RA2.4 RA2.5 RA3.1 RA3.8 S1.4 U14.2

## Polygon pours and split planes (outlines as drawn)
GND on Top Layer "Top GND" (solid, remove dead copper, pour order 6): -1172.24,-1529.57 -1037.26,-1616.23 -1037.24,-1616.24 ccw(c0.48,0.2) -612.24,-1820.33 ccw(c-569.13,-1692.27) -434.01,-1692.27 ccw(c-569.13,-1692.27) -446.95,-1634.57 cw(c0.48,-1423.3) -446.96,-1634.55 cw(c0.48,-1423.3) 495.28,-1423.3 cw(c0.48,-1423.3) 447.91,-1634.57 ccw(c570.1,-1692.27) 613.2,-1820.33 ccw(c0.48,0.2) 1038.21,-1616.24 1173.2,-1529.57 ccw(c1100.21,-1415.87) 1235.33,-1415.87 ccw(c1100.21,-1415.87) 1151.25,-1290.76 cw(c1338.18,-832.62) 1151.23,-1290.75 cw(c1338.18,-832.62) 1622.23,-427.48 cw(c1338.18,-832.62) 1677.78,-472.77 cw(c1338.18,-832.62) 1677.8,-472.79 ccw(c1770.55,-374.52) 1905.52,-380.89 1919.22,-90.28 ccw(c1916.71,-90.15) 1919.22,-90.27 ccw(c0.48,0.2) 1921.36,0.2 ccw(c0.48,0.2) 881.5,1707.12 281.02,2017.06 281,2017.06 cw(c279.85,2014.83) 281.02,2017.06 281,2017.06 ccw(c0.48,1473.57) -280.04,2017.06 ccw(c-278.89,2014.83) -280.06,2017.06 -280.04,2017.06 -280.06,2017.06 -880.54,1707.12 ccw(c0.48,0.2) -1918.26,-90.27 ccw(c-1915.75,-90.15) -1918.26,-90.29 -1918.26,-90.27 ccw(c-1915.75,-90.15) -1918.26,-90.27 -1918.26,-90.29 -1904.56,-380.89 ccw(c-1902.05,-380.77) -1904.56,-380.89 ccw(c-1769.59,-374.52) -1676.84,-472.79 cw(c-1337.22,-832.62) -1676.82,-472.77 cw(c-1337.22,-832.62) -1621.26,-427.48 cw(c-1337.22,-832.62) -842.42,-832.62 cw(c-1337.22,-832.62) -1150.27,-1290.75 cw(c-1337.22,-832.62) -1150.29,-1290.76 cw(c-1149.34,-1293.08) -1150.27,-1290.75 -1150.29,-1290.76 ccw(c-1099.25,-1415.87)
GND on Bottom Layer "Bottom GND" (solid, remove dead copper, pour order 8): -1172.24,-1529.57 -1037.26,-1616.23 -1037.24,-1616.24 ccw(c0.48,0.2) -612.24,-1820.33 ccw(c-569.13,-1692.27) -434.01,-1692.27 ccw(c-569.13,-1692.27) -446.95,-1634.57 cw(c0.48,-1423.3) -446.96,-1634.55 cw(c0.48,-1423.3) 495.28,-1423.3 cw(c0.48,-1423.3) 447.91,-1634.57 ccw(c570.1,-1692.27) 613.2,-1820.33 ccw(c0.48,0.2) 1038.21,-1616.24 1173.2,-1529.57 ccw(c1100.21,-1415.87) 1235.33,-1415.87 ccw(c1100.21,-1415.87) 1151.25,-1290.76 cw(c1338.18,-832.62) 1151.23,-1290.75 cw(c1338.18,-832.62) 1622.23,-427.48 cw(c1338.18,-832.62) 1677.78,-472.77 cw(c1338.18,-832.62) 1677.8,-472.79 ccw(c1770.55,-374.52) 1905.52,-380.89 1919.22,-90.28 ccw(c1916.71,-90.15) 1919.22,-90.27 ccw(c0.48,0.2) 1921.36,0.2 ccw(c0.48,0.2) 881.5,1707.12 281.02,2017.06 281,2017.06 cw(c279.85,2014.83) 281.02,2017.06 281,2017.06 ccw(c0.48,1473.57) -280.04,2017.06 ccw(c-278.89,2014.83) -280.06,2017.06 -280.04,2017.06 -280.06,2017.06 -880.54,1707.12 ccw(c0.48,0.2) -1918.26,-90.27 ccw(c-1915.75,-90.15) -1918.26,-90.29 -1918.26,-90.27 ccw(c-1915.75,-90.15) -1918.26,-90.27 -1918.26,-90.29 -1904.56,-380.89 ccw(c-1902.05,-380.77) -1904.56,-380.89 ccw(c-1769.59,-374.52) -1676.84,-472.79 cw(c-1337.22,-832.62) -1676.82,-472.77 cw(c-1337.22,-832.62) -1621.26,-427.48 cw(c-1337.22,-832.62) -842.42,-832.62 cw(c-1337.22,-832.62) -1150.27,-1290.75 cw(c-1337.22,-832.62) -1150.29,-1290.76 cw(c-1149.34,-1293.08) -1150.27,-1290.75 -1150.29,-1290.76 ccw(c-1099.25,-1415.87)
GND on Internal Plane 1 (split plane): -870.83,1684.02 -870.19,1684.36
GND on Internal Plane 1 (split plane): 1119 vertices, not listed, extent -1895.39,-1802.37 1896.34,2060.18
CONSTANT_POWER on Internal Plane 2 (split plane): 189 vertices, not listed, extent -711.25,507.56 1603.66,1514.14
DQ_DEFIB on Internal Plane 2 (split plane): -870.83,1684.02 -870.19,1684.36
5V on Internal Plane 2 (split plane): 1160.1,-1508.03 1160.66,-1507.73 1160.8,-1507.67
DQ_DEFIB on Internal Plane 2 (split plane): 353 vertices, not listed, extent -1514.34,748.18 1742.51,2060.18
3.3V on Internal Plane 2 (split plane): 103.28,1394.62 103.28,1113.97 -58.25,952.45 -134.64,952.45 -136.6,952.19 -138.42,951.43 -139.99,950.23 -207.87,882.35 -209.07,880.78 -209.83,878.96 -210.09,877 -210.09,822.52 -210.09,795 -210.09,510.05 -209.83,508.09 -209.07,506.26 -207.87,504.7 -186.13,482.96 -186.13,108.57 -185.88,106.61 -185.12,104.79 -183.92,103.22 -25.35,-55.35 -23.78,-56.55 -21.96,-57.31 -20,-57.56 290,-57.56 291.96,-57.31 293.78,-56.55 295.35,-55.35 335.35,-15.35 336.55,-13.78 337.31,-11.96 337.56,-10 337.56,226.87 369.71,259.01 450.29,259.01 755.31,-46 755.31,-114 664.65,-204.65 663.45,-206.22 662.69,-208.04 662.44,-210 662.44,-567.02 662.44,-796.87 616.87,-842.44 -287.59,-842.44 -289.55,-842.69 -290.62,-843.14 -291.37,-843.45 -292.94,-844.65 -359.02,-910.74 -508.67,-910.74 -669.65,-749.75 -738.82,-680.58 -738.82,-509.42 -669.65,-440.25 -668.45,-438.68 -667.69,-436.86 -667.44,-434.9 -667.44,-315 -667.69,-313.04 -668.45,-311.22 -669.65,-309.65 -724.65,-254.65 -726.22,-253.45 -728.04,-252.69 -730,-252.44 -1558.45,-252.44 -1762.02,-48.86 -1762.02,21.87 -1751.45,32.44 -1675.49,32.44 -1449.11,-193.94 -1447.55,-195.14 -1445.72,-195.9 -1443.76,-196.16 -895.24,-196.16 -893.28,-195.9 -892.21,-195.45 -891.46,-195.14 -889.89,-193.94 -853.12,-157.17 -663.18,-157.17 -663.17,-157.17 -661.22,-156.91 -660.15,-156.47 -659.39,-156.16 -657.83,-154.96 -540.88,-38.01 -539.67,-36.44 -538.92,-34.61 -538.66,-32.66 -538.66,235.71 -538.35,235.95 -489.65,284.65 -488.45,286.22 -487.69,288.04 -487.44,290 -487.44,416.87 -424.65,479.65 -403.85,500.46 -402.16,500.23 -400.2,500.49 -398.37,501.25 -396.81,502.45 -395.6,504.01 -394.85,505.84 -394.59,507.8 -394.59,917.44 -295,917.44 -293.04,917.69 -291.22,918.45 -289.65,919.65 -195.44,1013.86 -194.24,1015.43 -193.48,1017.25 -193.22,1019.21 -193.22,1311.83 -63.8,1441.25 56.64,1441.25
5V on Internal Plane 2 (split plane): 947 vertices, not listed, extent -1895.39,-1802.37 1896.34,1743.42